# KiCad board vme-wren.kicad_pcb (continued)
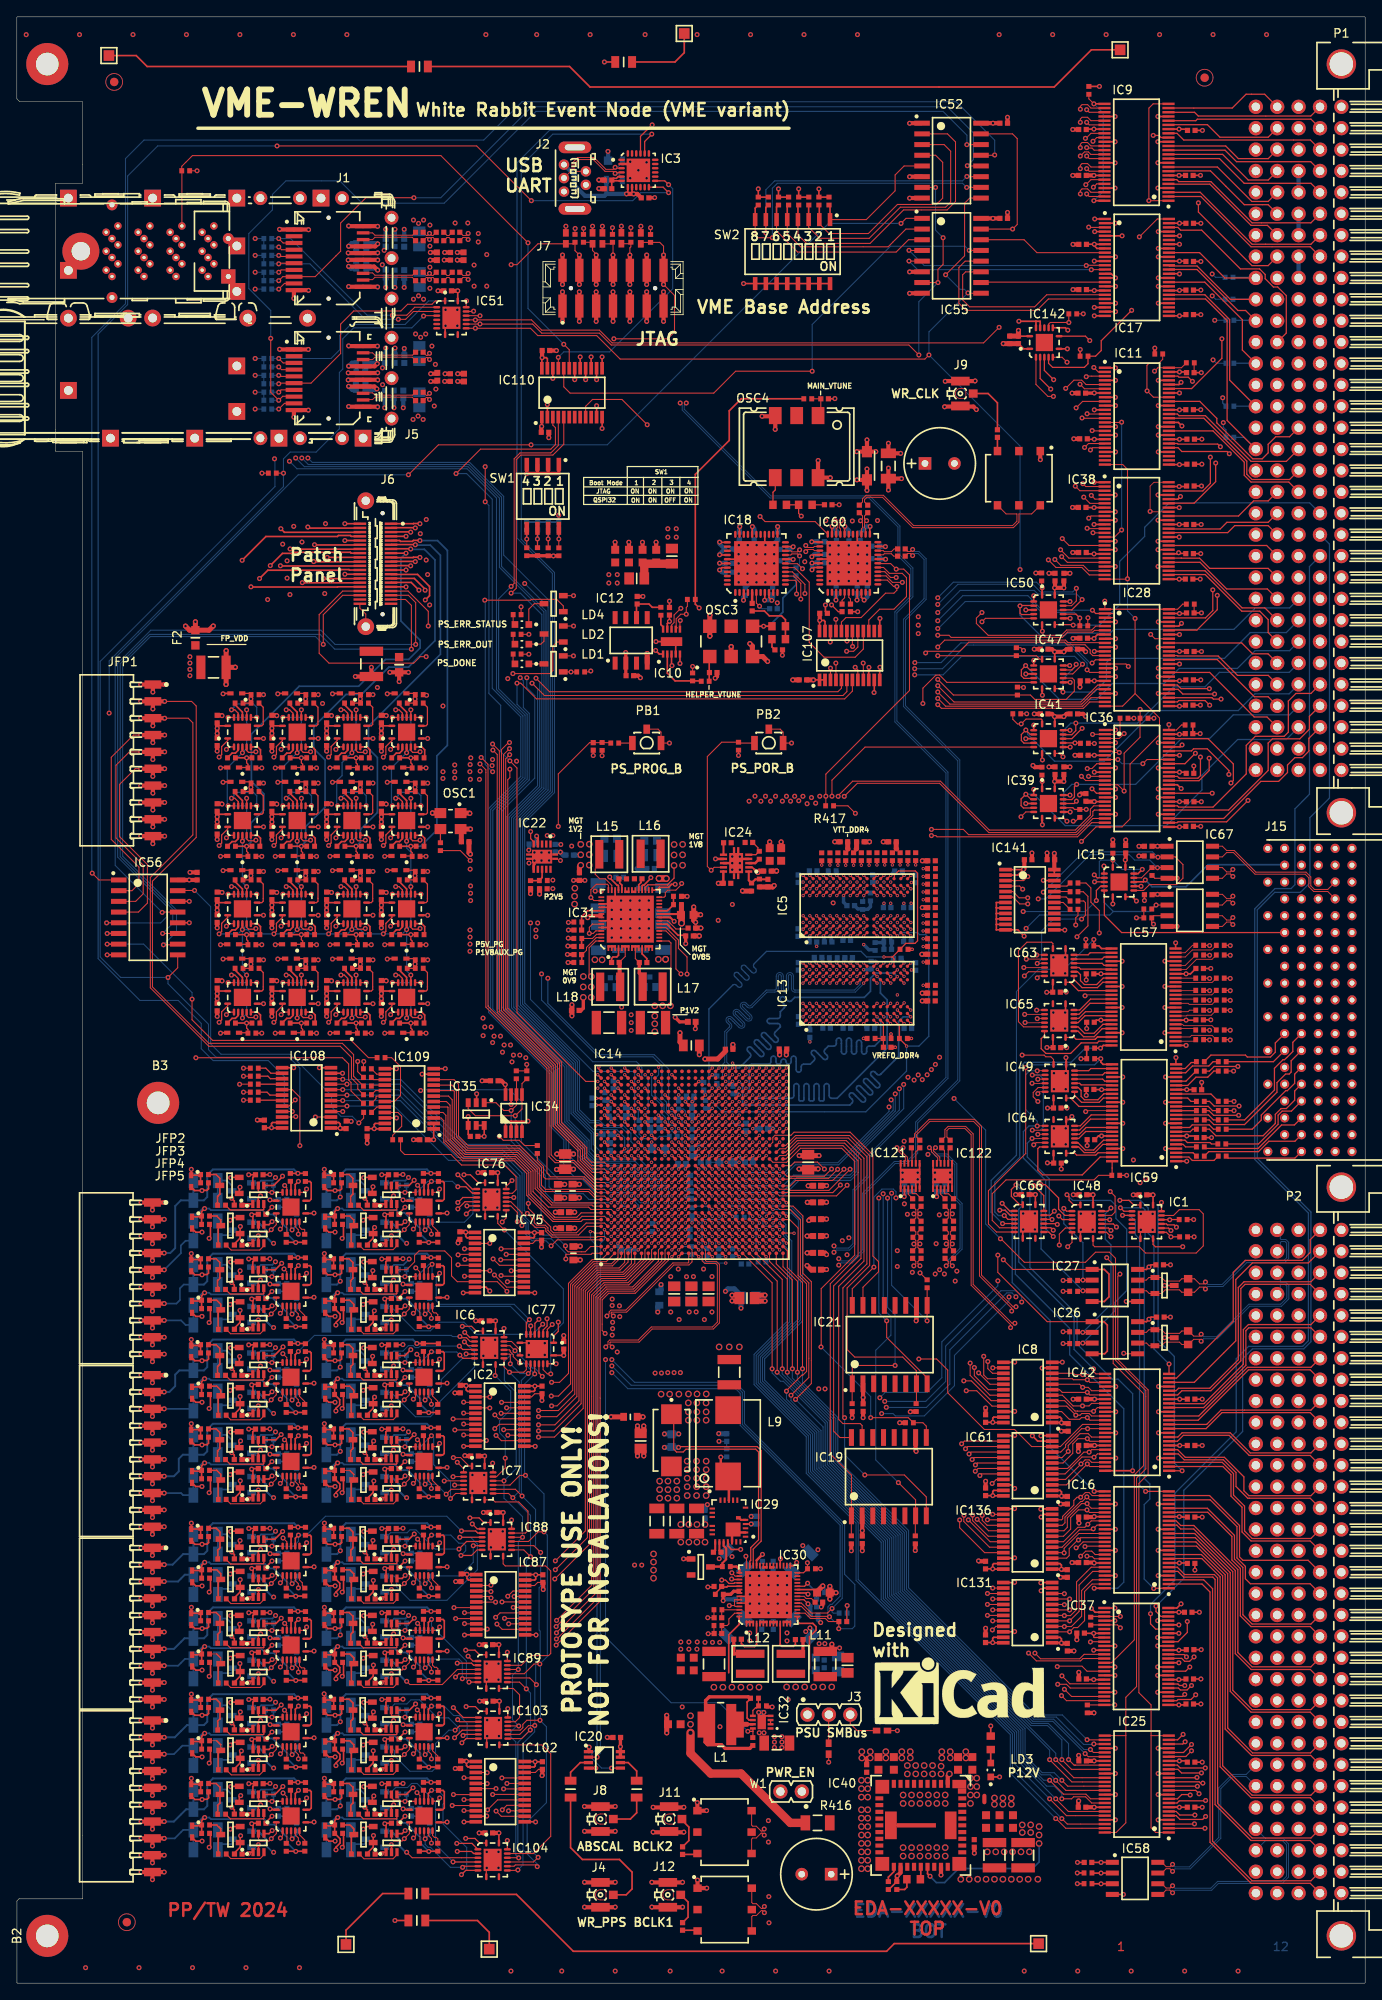
[diagram p0: board, top side]
## Routing (per net, layer and track width the routed paths; a pad name or vN(x,y) marks a point on that pad's centre or on a via; arc(x,y) is an arc through that point) (continued)
/VMEF.D14: length 152.1
  Top Layer w0.125: v1(92.3,89.04) 92.28,89.06 IC14.AH4 ; IC17.38 127.36,216.64 v2(127.05,216.94)
  L5 w0.125: v2(127.05,216.94) 126.45,216.34 125.36,216.34 122.26,213.24 122.26,193.93 116.88,188.54 116.88,162.42 116.88,104.85 108.77,96.75 104.35,96.75 100.97,93.37 100.97,93.36 99.04,91.44 93.82,91.44 92.3,89.92 v1(92.3,89.04)
/VMEF.D15: length 157.6
  Top Layer w0.125: IC17.37 127.55,217.14 127.26,217.43 126.79,217.43 v2(126.3,216.94)
  Top Layer w0.15: IC14.AB6 86.58,90.27
  L5 w0.125: v2(126.3,216.94) 125.33,216.94 122.01,213.62 122.01,194.03 116.63,188.65 116.63,162.32 116.63,104.96 108.67,97 104.24,97 100.72,93.47 100.72,93.47 98.94,91.69 93.72,91.69 91.1,89.07 90.42,89.07 90.18,89.31 90.18,89.62 89.93,89.87 86.98,89.87 v1(86.59,90.26)
/VMEF.D16: length 90.9
  Top Layer w0.125: IC14.AG8 90.58,91.87 91.82,91.87 93.05,90.64 93.05,84.14 94.05,83.14 94.05,71.92 v2(91.94,69.8) ; v2(124.1,24.09) 124.8,23.39 IC25.37
  Bottom Layer w0.125: v2(124.1,24.09) 123.2,24.99 121.77,24.99 119.74,27.02 119.74,30.23 103.9,46.06 103.9,52.86 95.5,61.26 95.5,65.6 91.94,69.16 v2(91.94,69.8)
/VMEF.D17: length 89.8
  Top Layer w0.1: 91.3,90.66 91.68,90.66
  Top Layer w0.125: v2(91.4,70.29) 91.38,70.32 91.38,70.34 93.22,72.19 93.34,72.19 93.79,72.64 93.79,83.04 92.78,84.05 92.78,89.66 91.78,90.66 IC14.AH6 ; v2(123.38,24.09) 124.58,22.89 IC25.38
  Bottom Layer w0.125: v2(91.4,70.29) 91.4,69.35 95.25,65.5 95.25,61.16 103.65,52.76 103.65,45.96 119.49,30.13 119.49,26.92 121.67,24.74 122.73,24.74 v2(123.38,24.09)
/VMEF.D18: length 96.1
  Top Layer w0.125: v2(122.65,24.09) 124.3,22.44 126.96,22.44 127.51,21.89 IC25.40
  Top Layer w0.2: IC14.AE9 88.98,92.67
  Bottom Layer w0.125: v1(88.99,92.66) 89.38,92.27 91.85,92.27 93.31,90.81 93.31,78.63 88.8,74.12 88.8,71.59 95,65.39 95,61.06 103.4,52.66 103.4,45.86 119.24,30.02 119.24,26.82 121.96,24.09 v2(122.65,24.09)
/VMEF.D19: length 95.7
  Top Layer w0.125: v2(124.1,21.89) 125.27,21.89 125.5,22.13 126.92,22.13 127.66,21.39 IC25.41
  Top Layer w0.2: IC14.AF8 89.78,91.87
  Bottom Layer w0.125: v2(124.1,21.89) 124.1,22.49 123.2,23.39 122.31,23.39 118.99,26.71 118.99,29.92 103.15,45.75 103.15,52.55 94.75,60.95 94.75,65.29 88.55,71.49 88.55,74.23 93.06,78.74 93.06,90.71 91.91,91.86 v1(89.79,91.86)
/VMEF.D20: length 97.9
  Top Layer w0.125: IC25.43 124.88,20.39 v2(123.38,21.89)
  Top Layer w0.2: IC14.AD9 88.18,92.67
  Bottom Layer w0.125: v1(88.19,92.66) 88.6,92.25 88.6,91.7 88.86,91.45 91.97,91.45 92.81,90.6 92.81,78.84 88.3,74.33 88.3,71.39 94.5,65.19 94.5,60.85 102.9,52.45 102.9,45.65 118.74,29.82 118.74,26.53 v2(123.38,21.89)
/VMEF.D21: length 95.9
  Top Layer w0.125: IC25.44 124.65,19.89 v2(122.65,21.89)
  Top Layer w0.2: IC14.AD7 88.18,91.07
  Bottom Layer w0.125: v1(88.19,91.06) 88.44,91.06 88.83,90.67 90.73,90.67 91.33,90.07 91.33,88.81 91.65,88.5 91.65,88.5 92.03,88.13 92.03,78.41 88.05,74.44 88.05,71.28 94.25,65.08 94.25,60.75 102.65,52.35 102.65,45.55 118.49,29.71 118.49,26.06 v2(122.65,21.89)
/VMEF.D22: length 98.9
  Top Layer w0.125: v2(124.1,19.54) 124.75,18.89 IC25.46
  Top Layer w0.2: IC14.AB8 86.58,91.87
  Bottom Layer w0.125: v2(124.1,19.54) 118.24,25.41 118.24,29.61 99.92,47.93 99.92,54.73 94,60.64 94,64.98 87.8,71.18 87.8,74.54 91.78,78.51 91.78,88.02 91.55,88.25 91.54,88.25 91.08,88.71 91.08,89.52 90.73,89.87 88.83,89.87 88.6,90.1 88.6,90.49 88.44,90.65 87.24,90.65 86.98,90.91 86.98,91.47 v1(86.59,91.86)
/VMEF.D23: length 94.3
  Top Layer w0.125: IC25.47 124.56,18.39 123.41,19.54 v2(123.38,19.54)
  Top Layer w0.15: IC14.AE4 88.98,88.67
  Bottom Layer w0.125: v2(123.38,19.54) 117.99,24.93 117.99,29.51 99.67,47.83 99.67,54.63 93.75,60.54 93.75,64.88 87.55,71.08 87.55,74.64 91.53,78.62 91.53,87.18 91,87.7 91,88 90.75,88.25 89.4,88.25 v1(88.99,88.66)
/VMEF.D24: length 77.5
  Top Layer w0.125: IC25.26 127.12,28.89 v2(127.1,28.9) ; IC14.AH2 91.5,86.95 91.5,84.97 93.3,83.17 v2(93.3,72.94)
  Bottom Layer w0.125: v2(93.3,72.94) 93.3,71.35 97.5,67.15 97.5,62.14 105.9,53.74 105.9,46.94 121,31.84 124.17,31.84 v2(127.1,28.9)
/VMEF.D25: length 77.2
  Top Layer w0.125: v2(127.9,28.4) 127.92,28.39 IC25.27 ; v2(92.7,72.54) 92.7,72.54 92.7,83.34 90.99,85.05 IC14.AH1
  Bottom Layer w0.125: 92.7,72.54 v2(92.7,72.54) 92.7,71.6 97.25,67.05 97.25,61.99 105.65,53.59 105.65,46.79 120.85,31.59 123.45,31.59 126.7,28.34 127.84,28.34 v2(127.9,28.4)
/VMEF.D26: length 78.1
  Top Layer w0.125: IC25.29 127.85,27.39 v2(127.5,27.74) ; v2(92.1,72.94) 92.1,83.49 90.19,85.4 IC14.AG1
  Bottom Layer w0.125: v2(92.1,72.94) 92.1,71.85 97,66.95 97,61.89 105.4,53.49 105.4,46.69 120.75,31.34 123.14,31.34 126.74,27.74 v2(127.5,27.74)
/VMEF.D27: length 78.8
  Top Layer w0.125: v2(126.87,27.25) 127.24,26.89 IC25.30 ; v2(91.5,72.54) 91.5,83.59 89.39,85.7 IC14.AF1
  Bottom Layer w0.125: v2(126.87,27.25) 123.04,31.09 120.65,31.09 105.15,46.58 105.15,53.38 96.75,61.78 96.75,66.84 91.5,72.1 v2(91.5,72.54)
/VMEF.D28: length 81.3
  Top Layer w0.125: v2(90.9,72.94) 90.9,83.55 IC14.AD1 ; 125.7,25.89 125.55,25.89 v2(124.9,26.54) ; 125.7,25.89 125.63,25.89 ; 125.7,25.89 IC25.32
  Bottom Layer w0.125: v2(90.9,72.94) 90.9,72.34 96.5,66.74 96.5,61.68 104.9,53.28 104.9,46.48 120.54,30.84 122.5,30.84 124.9,28.44 v2(124.9,26.54)
/VMEF.D29: length 82.2
  Top Layer w0.125: v2(124.1,26.54) 125.25,25.39 IC25.33 ; v2(90.3,72.54) 90.3,83.35 IC14.AC1
  Bottom Layer w0.125: v2(124.1,26.54) 124.1,28.89 122.4,30.59 120.44,30.59 104.65,46.37 104.65,53.17 96.25,61.57 96.25,66.59 90.31,72.54 v2(90.3,72.54)
/VMEF.D30: length 82.4
  Top Layer w0.125: IC14.AB1 89.7,83.15 v2(89.7,72.94) ; v2(123.38,26.54) 125.53,24.39 IC25.35
  Bottom Layer w0.125: v2(89.7,72.94) 89.7,72.45 90.68,71.46 91.03,71.46 96,66.49 96,61.47 104.4,53.07 104.4,46.27 123.38,27.3 v2(123.38,26.54)
/VMEF.D31: length 88.7
  Top Layer w0.125: IC25.36 125.3,23.89 v2(122.65,26.54) ; v2(92.48,69.32) 94.35,71.19 94.35,83.29 93.35,84.29 93.35,91.09 92.18,92.26 IC14.AH8
  Bottom Layer w0.125: v2(92.48,69.32) 95.75,66.04 95.75,61.37 104.15,52.97 104.15,46.17 122.65,27.67 v2(122.65,26.54)
/VMEF.D_DIR: length 268.7
  Top Layer w0.125: IC17.1 134.5,211.64 134.44,211.58 134.44,222.63 134.95,223.14 IC17.24 ; IC25.24 134.7,29.39 ; 134.7,29.39 134.7,33.04 133.25,34.49 133.25,59.34 134.35,60.44 134.35,70.44 130.75,74.04 130.75,83.94 v2(131,84.19) ; 134.7,29.39 134.7,18.44 135.25,17.89 IC25.1
  Top Layer w0.15: IC14.AE3 88.98,87.87
  L5 w0.125: v2(131,84.19) 130.15,84.19 128.17,86.17 118.34,86.17 116.18,88.33 116.18,88.99 ; 116.18,88.99 116.17,88.99 97.62,88.99 94.31,85.69 91.32,85.69 90.89,86.12 90.19,86.12 89.4,86.91 89.4,87.46 v1(88.99,87.86) ; 116.18,88.99 116.18,95.61 118.7,98.14 118.7,161.42 118.63,161.49 118.63,187.46 124.26,193.1 124.26,203.5 129,208.24 132.6,208.24 134.44,210.08 v2(134.44,211.64)
/VMEF.D_OE_N: length 283.3
  Top Layer w0.125: v2(116.81,88.39) 116.86,88.34 116.9,88.34 119.65,85.59 126.9,85.59 128.1,86.79 129.75,86.79 130.48,86.06 130.48,73.96 134.08,70.36 134.08,61.06 132.98,59.96 132.98,35.21 131.7,33.94 131.7,29.39 ; 131.7,29.39 131.7,19.04 130.55,17.89 IC25.48 ; 131.7,29.39 IC25.25 ; R99.1 127.31,223.74 v2(127.91,223.14)
  Top Layer w0.2: IC17.25 127.91,223.14 v2(127.91,223.14) ; v2(127.91,211.64) 127.91,211.64 IC17.48 ; IC14.AC9 87.38,92.67
  L5 w0.125: v2(127.91,223.14) 124.01,223.14 122.6,221.73 122.6,217.57 119.76,214.74 119.76,194.96 112.86,188.06 112.86,160.26 113.6,159.52 113.6,107.34 v2(111.3,105.04) 108.2,105.04 99.25,96.09 93.28,96.09 90.24,93.05 87.78,93.05 v1(87.39,92.66)
  Bottom Layer w0.125: v2(127.91,211.64) 129.01,212.74 129.01,222.04 v2(127.91,223.14) ; v2(116.81,88.39) 115.05,90.14 115.05,101.29 v2(111.3,105.04)
/VMEF.DS0_N_IN: length 113.6
  Top Layer w0.125: IC38.6 127.44,175.7 v2(126.7,176.44)
  Top Layer w0.2: IC14.AE12 88.98,95.07
  L3 w0.125: v1(88.99,95.06) 89.38,94.67 90.08,94.67 90.33,94.42 92.28,94.42 93.37,95.51 102.59,95.51 103.85,96.78 108.55,96.78 114.1,102.33 114.1,167.8 122.74,176.44 v2(126.7,176.44)
/VMEF.DS0_N_OUT: length 112.8
  Top Layer w0.125: IC38.5 128.04,176.2 v2(127.6,176.64)
  Top Layer w0.2: IC14.AF12 89.78,95.07
  L3 w0.125: v2(127.6,176.64) 127.3,176.94 122.89,176.94 113.85,167.9 113.85,102.44 108.44,97.03 103.75,97.03 102.48,95.76 93.26,95.76 92.18,94.67 90.43,94.67 90.04,95.06 v1(89.79,95.06)
/VMEF.DS1_N_IN: length 111.6
  Top Layer w0.125: v2(125.7,177.74) 126.24,177.2 IC38.3
  Top Layer w0.15: IC14.AG13 90.58,95.87
  L3 w0.125: v1(90.59,95.86) 90.86,95.86 92.27,97.27 100.45,97.27 100.7,97.53 108.22,97.53 113.35,102.66 113.35,168.11 122.98,177.74 v2(125.7,177.74)
/VMEF.DS1_N_OUT: length 112.9
  Top Layer w0.125: v2(126.6,178.04) 126.94,177.7 IC38.2
  Top Layer w0.15: IC14.AF13 89.78,95.87
  L3 w0.125: v1(89.79,95.86) 90.18,95.47 90.85,95.47 91.39,96.01 102.38,96.01 103.65,97.28 108.34,97.28 113.6,102.54 113.6,168.01 122.85,177.25 125.91,177.25 126.6,177.95 v2(126.6,178.04)
/VMEF.DS_N_OE: length 168.5
  Top Layer w0.1: 136.79,174.7 134.63,174.7 v2(134.59,174.74) 134.59,177.74 135.04,178.2 136.79,178.2
  Top Layer w0.15: 71.4,95.07 IC14.D12
  L3 w0.125: v2(52,143.09) 51.53,142.61 51.53,121.58 65.45,107.65 65.45,101.4 67.85,99 67.85,97.04 69.44,95.45 70.75,95.45 71.14,95.06 v1(71.39,95.06)
  L8 w0.125: v2(52,143.09) 51.35,143.74 51.35,148.95 55.75,153.35 97.4,153.35 99.97,150.79 110.34,150.79 124.49,164.93 126.07,164.93 134.59,173.45 v2(134.59,174.74)
/VMEF.DTACK_N_IN: length 153.1
  Top Layer w0.125: IC36.3 130.93,147.79 v2(131.5,148.36) ; IC14.G15 v1(73.81,98.24)
  L5 w0.125: v1(73.81,98.24) 73.43,97.85 69.65,97.85 69.38,98.13 69.38,98.42 68.96,98.84 67.48,98.84 66.78,99.54 65.27,99.54 61.56,103.24 61.56,105.75 59.29,108.02 56.98,108.02 54.63,110.36 54.63,125.27 51.96,127.94 51.96,139.93 54.42,142.38 54.42,144.98 v2(53.91,145.48)
  L8 w0.125: v2(53.91,145.48) 53.91,149.32 56.18,151.59 97.05,151.59 99.35,149.29 112.39,149.29 115.66,146.02 123.1,146.02 124.03,145.1 125.66,145.1 126.96,146.39 128.77,146.39 130.74,148.36 v2(131.5,148.36)
/VMEF.DTACK_N_OUT: length 154.5
  Top Layer w0.125: v2(127.75,148.26) 127.78,148.29 IC36.2 130.76,148.29 131.02,148.54 R89.1
  Top Layer w0.15: 74.6,96.67 IC14.H14
  L5 w0.125: v1(74.59,96.66) 74.32,96.93 74.31,96.93 73.66,97.59 63.75,97.59 61.31,100.03 61.31,105.64 59.19,107.77 56.88,107.77 54.38,110.26 54.38,125.17 51.71,127.84 51.71,140.03 52.94,141.26 52.94,143.8 v2(53.84,144.69)
  L8 w0.125: v2(53.84,144.69) 53.29,145.23 53.29,149.06 56.07,151.84 97.15,151.84 99.45,149.54 112.5,149.54 115.76,146.27 125.3,146.27 125.58,146.56 126.05,146.56 v2(127.75,148.26)
/VMEF.DTACK_OE: length 156.9
  Top Layer w0.125: v2(136.83,149.44) 136.82,149.43 IC36.48 137.71,148.79 138.31,149.39 R90.1 ; IC14.F15 v1(73.01,98.24)
  L5 w0.125: v1(73.01,98.24) 72.58,98.67 72.58,99.22 72.35,99.45 67.57,99.45 66.99,100.04 65.52,100.04 62.16,103.39 62.16,105.85 61.36,106.65 61.36,109.73 55.3,115.79 55.3,125.31 52.46,128.15 52.46,139.08 55.43,142.05 55.43,143.5 v2(55.02,143.91)
  L8 w0.125: v2(136.83,149.44) 133.55,149.44 129.31,145.2 126.55,145.2 125.27,143.92 117.41,143.92 112.29,149.04 99.24,149.04 96.94,151.34 56.35,151.34 54.4,149.39 54.4,144.52 v2(55.02,143.91)
/VMEF.GA0: length 25.6
  Top Layer w0.125: IC9.12 127.03,203.97 v2(127,203.94) ; v2(105.95,205.74) 105.96,205.73 IC55.4
  Bottom Layer w0.125: v2(105.95,205.74) 107.75,203.94 v2(127,203.94)
/VMEF.GA1: length 25.3
  Top Layer w0.125: IC55.5 105.96,204.46 v2(105.95,204.47) ; v2(127.6,203.44) 127.62,203.45 129.2,203.45 IC9.13
  Bottom Layer w0.125: v2(105.95,204.47) 106.97,203.45 127.59,203.45 v2(127.6,203.44)
/VMEF.GA2: length 14.7
  Top Layer w0.125: IC55.10 114.55,201.97 IC9.16
/VMEF.GA3: length 23.1
  Top Layer w0.125: IC55.11 112.68,203.19 112.33,202.84 112.33,199.86 113.15,199.04 120.88,199.04 122.31,200.47 IC9.19
/VMEF.GA4: length 25.4
  Top Layer w0.125: IC9.20 122.51,199.97 121.15,198.61 112.73,198.61 111.88,199.46 111.88,203.71 112.62,204.46 IC55.12
/VMEF.GAP: length 15.3
  Top Layer w0.125: IC9.9 121.15,205.47 119.62,207 IC55.14
/VMEF.IACK_N_IN: length 106.8
  Top Layer w0.12: IC14.AG11 90.58,94.27
  Top Layer w0.125: v2(125.83,165.61) 125.83,164.11 125.26,163.55 IC50.12 ; v2(98.95,96.64) 96.44,94.13 91.84,94.13 91.7,94.27 90.58,94.27
  L5 w0.125: v2(109.37,163.7) 110.25,163.7 112.4,161.54 112.4,160.36 113.35,159.41 113.35,110.54 99.45,96.64 v2(98.95,96.64)
  Bottom Layer w0.125: v2(109.37,163.7) 111.76,166.09 120.66,166.09 121.57,165.18 125.4,165.18 v2(125.83,165.61)
/VMEF.IACK_N_OUT: length 104.3
  Top Layer w0.125: IC14.AH11 91.86,94.66 92.5,95.31 96.9,95.31 v2(98.23,96.64)
  Top Layer w0.15: v2(126.51,164.27) 125.29,163.05 IC50.11
  L5 w0.125: v2(109.37,162.74) 110.25,162.74 112.15,160.84 112.15,160.19 113.1,159.24 113.1,110.65 99.59,97.13 98.72,97.13 v2(98.23,96.64)
  Bottom Layer w0.125: v2(109.37,162.74) 109.41,162.74 112.03,165.36 120.82,165.36 121.25,164.93 125.85,164.93 v2(126.51,164.27)
/VMEF.IACK_OE_N: length 102.3
  Top Layer w0.125: IC14.AH13 91.45,95.81 95.9,95.81 v2(96.75,96.66)
  Top Layer w0.15: R329.1 126.24,162.08 v2(126.24,162.09) 125.78,162.55 IC50.10
  L5 w0.125: v2(96.75,96.66) 97.72,97.63 99.38,97.63 112.6,110.85 112.6,159.03 110.8,160.84 v2(109.37,160.84)
  Bottom Layer w0.125: v2(126.24,162.09) 125.56,162.76 121.69,162.76 120.41,164.04 112.63,164.04 109.43,160.84 v2(109.37,160.84)
/VMEF.IACKIN_N_IN: length 106.8
  Top Layer w0.125: v2(131.05,43.54) 131.05,43.54 IC37.3
  Top Layer w0.15: R95.1 127.62,43.54 IC37.3 ; 75.4,93.47 IC14.J10
  L5 w0.125: v1(75.39,93.46) 74.99,93.06 74.35,93.06 73.54,92.25 71.23,92.25 70.2,91.22 70.2,85.7 75.35,80.54 76.34,80.54 76.88,80 76.88,78.32 80.63,74.56 101.73,74.56 108.18,68.11 108.18,65.36 111.25,62.29 111.25,54.26 111.95,53.56 116.47,53.56 119.55,50.48 119.55,44.55 122.88,41.23 125.65,41.23 127.96,43.54 v2(131.05,43.54)
/VMEF.IACKOUT_N_OUT: length 106.3
  Top Layer w0.125: v2(131.05,42.19) 130.7,42.54 IC37.5
  Top Layer w0.15: 73.8,93.47 IC14.G10 ; R95.2 127.56,42.54 IC37.5
  L5 w0.125: v2(131.05,42.19) 129.92,41.05 127.12,41.05 126.35,40.29 125.41,40.29 124.72,40.98 122.78,40.98 119.3,44.45 119.3,50.37 116.36,53.31 111.85,53.31 111,54.16 111,62.19 107.93,65.26 107.93,68.01 101.63,74.31 80.52,74.31 75.3,79.53 75.3,80.21 69.4,86.11 69.4,90.86 71,92.46 71,92.89 71.19,93.07 73.4,93.07 v1(73.79,93.46)
/VMEF.IRQ_IN_N1: length 86.1
  Top Layer w0.125: v2(119.25,138.49) 119.83,139.06 IC39.6
  Top Layer w0.2: IC14.W11 v1(84.18,94.27)
  L3 w0.125: v2(119.25,138.49) 116.35,135.59 116.35,101.4 113.48,98.52 113.48,92.54 110.39,89.46 93.36,89.46 92.42,88.52 91.41,88.52 90.86,89.07 88.03,89.07 87.8,89.3 87.8,89.62 87.55,89.87 86.43,89.87 86.2,90.1 86.2,90.42 85.4,91.22 85.4,92 85.13,92.27 84.83,92.27 84.6,92.5 84.6,92.82 84.38,93.05 84.06,93.05 83.8,93.31 83.8,93.88 v1(84.18,94.27)
/VMEF.IRQ_IN_N2: length 131.1
  Top Layer w0.125: IC14.B13 69.79,96.66 68.29,96.66 67.18,97.78 67.18,98.99 64.2,101.96 64.2,109.16 57.8,115.56 57.8,145.87 v2(58.51,146.58)
  Top Layer w0.15: v2(125.84,140.34) 125.56,140.06 IC39.11
  L8 w0.125: v2(125.84,140.34) 125.07,139.57 118.89,139.57 111.42,147.04 98.42,147.04 96.11,149.34 65.83,149.34 64.09,147.6 59.54,147.6 v2(58.51,146.58)
/VMEF.IRQ_IN_N3: length 124.8
  Top Layer w0.125: v2(96.8,140.93) 96.8,142.83 100.74,146.76 IC41.6
  Top Layer w0.15: 75.4,96.67 IC14.J14
  L3 w0.125: v1(75.39,96.66) IC14.J14 75.79,97.65 74.79,98.65 70.33,98.65 70.02,98.96 66.95,102.02 66.95,108.27 53.03,122.2 53.03,131.46 v2(53.84,132.27)
  L8 w0.125: v2(96.8,140.93) 96.8,140.16 95.9,139.25 64.49,139.25 63.13,137.9 56.79,137.9 54.36,135.47 54.36,132.79 v2(53.84,132.27)
/VMEF.IRQ_IN_N4: length 144.2
  Top Layer w0.15: v2(126.51,148.99) 125.29,147.76 IC41.11 ; 72.2,95.87 IC14.E13
  L3 w0.125: v1(72.19,95.86) 72.19,96.11 71.8,96.5 71.8,96.8 71.28,97.32 69.39,97.32 68.6,98.1 68.6,99.32 66.2,101.71 66.2,107.96 52.28,121.89 52.28,141.29 53.86,142.87 v2(53.86,142.94)
  L8 w0.125: v2(126.51,148.99) 125.77,148.25 115.82,148.25 114.03,150.04 99.66,150.04 97.36,152.34 55.8,152.34 52.77,149.3 52.77,144.04 v2(53.86,142.94)
/VMEF.IRQ_IN_N5: length 92.4
  Top Layer w0.125: IC47.6 110.44,154.45 109.58,155.31 109.16,155.31 107.6,153.76 v2(107.6,151.94)
  Top Layer w0.2: IC14.AA11 85.78,94.27
  L5 w0.125: v2(104.81,106.2) 104.81,106.2 104.81,107.66 109.85,112.7 109.85,145.94 107.6,148.19 v2(107.6,151.94)
  Bottom Layer w0.125: v2(104.81,106.2) 104.81,103.67 99.69,98.55 99.69,96.33 98.99,95.64 92.64,95.64 90.88,93.87 86.18,93.87 v1(85.79,94.26)
/VMEF.IRQ_IN_N6: length 101.6
  Top Layer w0.125: v2(126.56,156.6) 125.4,155.45 IC47.11
  Top Layer w0.15: IC14.AA13 85.78,95.87
  L5 w0.125: v2(106.63,155.34) 106.87,155.1 106.87,148.22 109.35,145.73 109.35,112.91 103.81,107.37 103.81,104.9 v2(103.83,104.88)
  Bottom Layer w0.125: v2(103.83,104.88) 104.07,104.64 104.07,103.64 97.59,97.16 92.46,97.16 90.75,95.45 86.2,95.45 v1(85.79,95.86) ; v2(106.63,155.34) 110,155.34 112.2,157.54 125.62,157.54 v2(126.56,156.6)
/VMEF.IRQ_IN_N7: length 91.5
  Top Layer w0.125: IC50.6 115.03,162.05 v2(114.62,161.64) ; IC14.AG10 90.58,93.47 97.34,93.47 v2(98.6,94.74)
  L5 w0.125: v2(114.62,161.64) 114.7,161.55 114.7,106.61 109.14,101.04 105.68,101.04 99.38,94.74 v2(98.6,94.74)
/VMEF.IRQ_OUT_N1: length 133
  Top Layer w0.125: R102.1 121.77,143.41 v2(121.77,142.68) ; IC14.B11 69.79,95.06 68.83,95.06 66.22,97.68 64.12,97.68 63.45,98.34 63.45,108.85 57.05,115.25 57.05,145.88 v2(56.53,146.4)
  Top Layer w0.2: IC39.1 121.76,142.67 v2(121.77,142.68)
  L8 w0.125: v2(121.77,142.68) 117.22,142.68 112.69,147.21 112.69,147.22 111.88,148.04 98.83,148.04 96.53,150.34 57.6,150.34 55.95,148.69 55.95,146.98 v2(56.53,146.4)
/VMEF.IRQ_OUT_N2: length 131.7
  Top Layer w0.125: R189.1 127,139.36 v2(127,139.36) ; IC14.A14 68.25,97.06 67.43,97.88 67.43,99.09 64.45,102.07 64.45,109.26 58.05,115.66 58.05,145.38 v2(58.53,145.85)
  Top Layer w0.15: R189.1 125.62,139.36 125.41,139.56 IC39.10
  L8 w0.125: v2(58.53,145.85) 60.03,147.35 64.2,147.35 65.93,149.09 96.01,149.09 98.31,146.79 111.32,146.79 118.78,139.32 119.52,139.32 120.27,138.57 126.21,138.57 v2(127,139.36)
/VMEF.IRQ_OUT_N3: length 139.9
  Top Layer w0.125: R101.1 118.28,150.06 118.83,149.51 v2(119.28,149.51) 119.85,150.09 121.65,150.09 121.76,149.98 IC41.1
  Top Layer w0.15: 72.2,95.07 IC14.E12
  L3 w0.125: v2(52,143.84) 52.49,143.35 52.49,142.89 51.78,142.17 51.78,121.68 65.7,107.76 65.7,101.51 68.1,99.11 68.1,97.14 68.99,96.25 70.75,96.25 70.98,96.02 70.98,95.7 71.23,95.45 71.59,95.45 71.98,95.06 v1(72.19,95.06)
  L8 w0.125: v2(119.28,149.51) 118.51,150.29 99.76,150.29 97.46,152.59 55.7,152.59 52.52,149.41 52.52,144.35 v2(52,143.84)
/VMEF.IRQ_OUT_N4: length 145.6
  Top Layer w0.15: IC41.10 v2(125.66,147.26) 126.27,147.26 R204.1 ; 73,93.47 IC14.F10
  L3 w0.125: v1(72.99,93.46) 73.38,93.85 73.38,95.22 73.15,95.45 72.86,95.45 72.58,95.73 72.58,96.83 71.84,97.57 69.94,97.57 69.4,98.1 69.4,98.87 66.45,101.82 66.45,108.07 52.53,121.99 52.53,140.91 54.35,142.74 54.35,143.29 v2(53.8,143.84)
  L8 w0.125: v2(53.8,143.84) 53.02,144.63 53.02,149.2 55.9,152.09 97.25,152.09 99.56,149.79 112.6,149.79 115.13,147.26 v2(125.66,147.26)
/VMEF.IRQ_OUT_N5: length 94.5
  Top Layer w0.125: v2(109.37,157.61) 121.08,157.61 121.49,157.2 IC47.1
  Top Layer w0.2: IC14.AC11 87.38,94.27
  L5 w0.125: v2(108.61,108.47) 109.16,108.47 111.85,111.16 111.85,155.29 109.53,157.61 v2(109.37,157.61)
  L8 w0.125: v1(87.39,94.26) 87.78,93.87 88.35,93.87 88.6,94.13 88.6,94.43 88.85,94.67 91.79,94.67 93.01,95.89 99.25,95.89 101.21,97.85 101.21,98.57 108.61,105.97 v2(108.61,108.47)
/VMEF.IRQ_OUT_N6: length 101.9
  Top Layer w0.125: IC47.10 125.34,154.95 125.59,154.71 125.59,153.4 124.61,152.42 120.9,152.42 120.37,152.94 R263.1 111.22,152.94 v2(109.37,154.8)
  Top Layer w0.2: IC14.AC12 87.38,95.07
  L5 w0.125: v2(109.09,109.09) 109.42,109.09 111.6,111.27 111.6,152.54 109.58,154.56 109.53,154.56 109.37,154.72 v2(109.37,154.8)
  L8 w0.125: v1(87.39,95.06) 87,94.67 87,93.3 87.23,93.07 88.35,93.07 88.58,93.3 88.58,93.6 88.86,93.87 91.35,93.87 93.11,95.64 99.35,95.64 101.46,97.75 101.46,98.47 109.11,106.12 109.11,109.06 v2(109.09,109.09)
/VMEF.IRQ_OUT_N7: length 102.7
  Top Layer w0.125: R264.1 121.71,165.73 v2(121.77,165.67)
  Top Layer w0.15: IC14.AC13 87.38,95.87
  Top Layer w0.2: v2(121.77,165.67) 121.76,165.66 IC50.1
  L5 w0.125: v2(109.37,164.49) 109.37,164.49 108.65,164.49 108.42,164.25 108.42,152.81 108.88,152.34 108.88,149.76 109.17,149.48 109.47,149.48 110.35,148.59 110.35,112.49 105.83,107.97 v2(105.83,107.56)
  L8 w0.125: v2(105.83,107.56) 105.83,104.96 99.96,99.09 92.15,99.09 91.74,98.67 88.06,98.67 87.8,98.42 87.8,97.89 87,97.09 87,96.25 v1(87.39,95.86)
  Bottom Layer w0.125: v2(121.77,165.67) 121.1,166.34 111.22,166.34 v2(109.37,164.49)
/VMEF.LWORD_N: length 120.7
  Top Layer w0.125: IC38.23 127.37,167.2 126.48,168.09 123.4,168.09 v2(122.5,168.99)
  Top Layer w0.15: IC14.AA8 85.78,91.87
  L3 w0.125: v1(85.79,91.86) 85.79,91.31 86.43,90.67 87.68,90.67 87.8,90.55 87.8,90.1 88.04,89.86 110.39,89.86 113.23,92.7 113.23,98.63 116.1,101.5 116.1,159.96 116.85,160.71 116.85,167.72 118.12,168.99 v2(122.5,168.99)
/VMEF.NOGA_N0: length 17.1
  Top Layer w0.125: IC52.5 105.37,215.76 104.3,214.69 104.3,212.81 100.88,209.39 SW2.1
  Top Layer w0.2: IC52.5 106.88,215.76 ; SW2.1 96.57,211 R385.2
/VMEF.NOGA_N1: length 26.8
  Top Layer w0.125: SW2.2 95.3,208.89 96.46,207.74 101.13,207.74 104.58,211.19 109.2,211.19 109.95,211.94 109.95,216.19 109.11,217.03 IC52.4
  Top Layer w0.2: R372.2 95.3,211.07 SW2.2 ; IC52.4 106.88,217.03
/VMEF.NOGA_N2: length 31.6
  Top Layer w0.125: IC52.3 110.12,218.3 110.9,217.51 110.9,211.46 110.3,210.86 104.93,210.86 101.23,207.16 95.35,207.16 94.03,208.48 SW2.3
  Top Layer w0.2: R371.2 94.03,211.1 SW2.3
/VMEF.NOGA_N3: length 36.2
  Top Layer w0.125: SW2.4 92.76,207.58 93.78,206.56 101.33,206.56 105.3,210.54 110.48,210.54 111.48,211.54 111.48,218.61 110.52,219.57 IC52.2
  Top Layer w0.2: R358.2 92.76,211.03 SW2.4
/VMEF.NOGA_N4: length 21
  Top Layer w0.125: SW2.5 91.49,207.75 93.08,206.16 103.48,206.16 105.58,208.27 IC55.2
  Top Layer w0.2: R357.2 91.49,210.96 SW2.5
/VMEF.RETRY_IN: length 123.2
  Top Layer w0.125: IC11.3 127.07,190.81 v2(127,190.74)
  Top Layer w0.2: IC14.AB15 86.58,98.26
  L3 w0.125: v2(127,190.74) 126.69,191.05 122.92,191.05 114.9,183.03 114.9,172.84 114.73,172.67 111.1,169.04 111.1,108.74 102.7,100.34 92.15,100.34 91.29,99.47 88.86,99.47 88.58,99.2 88.58,98.9 88.35,98.67 87,98.67 v1(86.59,98.26)
/VMEF.RETRY_OE: length 177.3
  Top Layer w0.125: v2(135.11,191.4) 135.52,191.81 IC11.48 138.31,191.81 R114.1
  Top Layer w0.15: 70.6,94.27 IC14.C11
  L3 w0.125: v2(50.6,143.04) 50.6,121.79 64.95,107.44 64.95,101.2 67.34,98.81 67.34,96.77 69.85,94.26 v1(70.59,94.26)
  L8 w0.125: v2(50.6,143.04) 49.82,143.82 49.82,149.07 54.62,153.86 107.56,153.86 110.44,156.74 110.44,164.1 129,182.66 129,184.83 135.11,190.94 v2(135.11,191.4)
/VMEF.RETRY_OUT: length 127.2
  Top Layer w0.125: IC11.2 128.44,191.31 v2(127.9,191.84)
  Top Layer w0.15: IC14.W14 84.18,96.67
  L3 w0.125: v1(84.19,96.66) 85.4,97.87 85.4,98.42 85.66,98.67 85.98,98.67 86.2,98.9 86.2,99.22 86.43,99.45 88.35,99.45 88.6,99.7 88.6,100.02 88.83,100.25 91.71,100.25 92.05,100.59 102.59,100.59 110.85,108.85 110.85,169.15 114.48,172.77 114.48,182.96 123.36,191.84 v2(127.9,191.84)
/VMEF.SYSCLK: length 106.1
  Top Layer w0.125: v2(97.48,96.63) 96.4,95.56 91.73,95.56 91.64,95.46 IC14.AH12
  Top Layer w0.15: IC28.3 130.23,162.13 130.31,162.21 130.31,162.54 130.22,162.63 IC28.2 128.12,162.63 v2(127.74,163.01)
  L5 w0.125: v2(109.37,161.76) 110.88,161.76 111.9,160.74 111.9,160.09 112.85,159.14 112.85,110.75 99.48,97.38 98.22,97.38 v2(97.48,96.63)
  Bottom Layer w0.125: v2(109.37,161.76) 112.35,164.74 120.06,164.74 121.79,163.01 v2(127.74,163.01)
/VMEF.SYSCLK_DIR: length 96.3
  Top Layer w0.125: IC28.48 137.85,163.13 138.46,163.74 R98.1 ; v2(123.8,87.64) 123.8,88.94 124.53,89.66 IC48.6 ; v2(129.2,164.09) 129.22,164.08 IC28.1
  Top Layer w0.15: IC28.1 IC28.48
  L3 w0.125: v2(132.6,97.74) 132.6,97.81 132.54,97.88 132.54,117.75 129.59,120.7 129.59,163.7 v2(129.2,164.09)
  L5 w0.125: v2(132.6,97.74) 131.17,96.3 129.82,96.3 124.83,91.31 124.83,88.66 v2(123.8,87.64)
/VMEF.SYSRESET_N: length 144.3
  Top Layer w0.1: 127.32,208.47 v2(127.29,208.5)
  Top Layer w0.125: IC9.3 127.32,208.47
  Top Layer w0.15: IC14.W13 84.18,95.87
  L3 w0.125: v2(127.29,208.5) 125.36,208.5 124.01,207.15 124.01,193.2 112.29,181.48 112.29,180.05 110.6,178.36 110.6,108.95 102.49,100.84 91.95,100.84 91.61,100.5 88.73,100.5 88.49,100.26 85.64,100.26 85.4,100.02 85.4,99.7 85.18,99.47 84.86,99.47 84.58,99.2 84.58,98.1 84.35,97.87 84.03,97.87 83.8,97.65 83.8,96.25 v1(84.19,95.86)
/VMEF.SYSRESET_N_DIR: length 135.9
  Top Layer w0.125: v2(124.8,87.44) 125.31,87.95 IC48.7 ; v2(133.31,207.34) 135.44,209.47 IC9.48
  L3 w0.125: v2(134.06,95.54) 134.06,119.75 136.06,121.75 136.06,153.39 133.31,156.14 v2(133.31,207.34)